# Altium PCB PCB3.PcbDoc (part 2 of 2)
Units mm, origin at the board's own origin, x right, y up, seen from the top; angles counter-clockwise.
Board outline 73.53 x 117.63 mm, 4 copper layers (Top Layer, GROUND, POWER, Bottom Layer), stack 0.603 mm thick; 94 components, 78 nets, 382 pads, 160 vias.
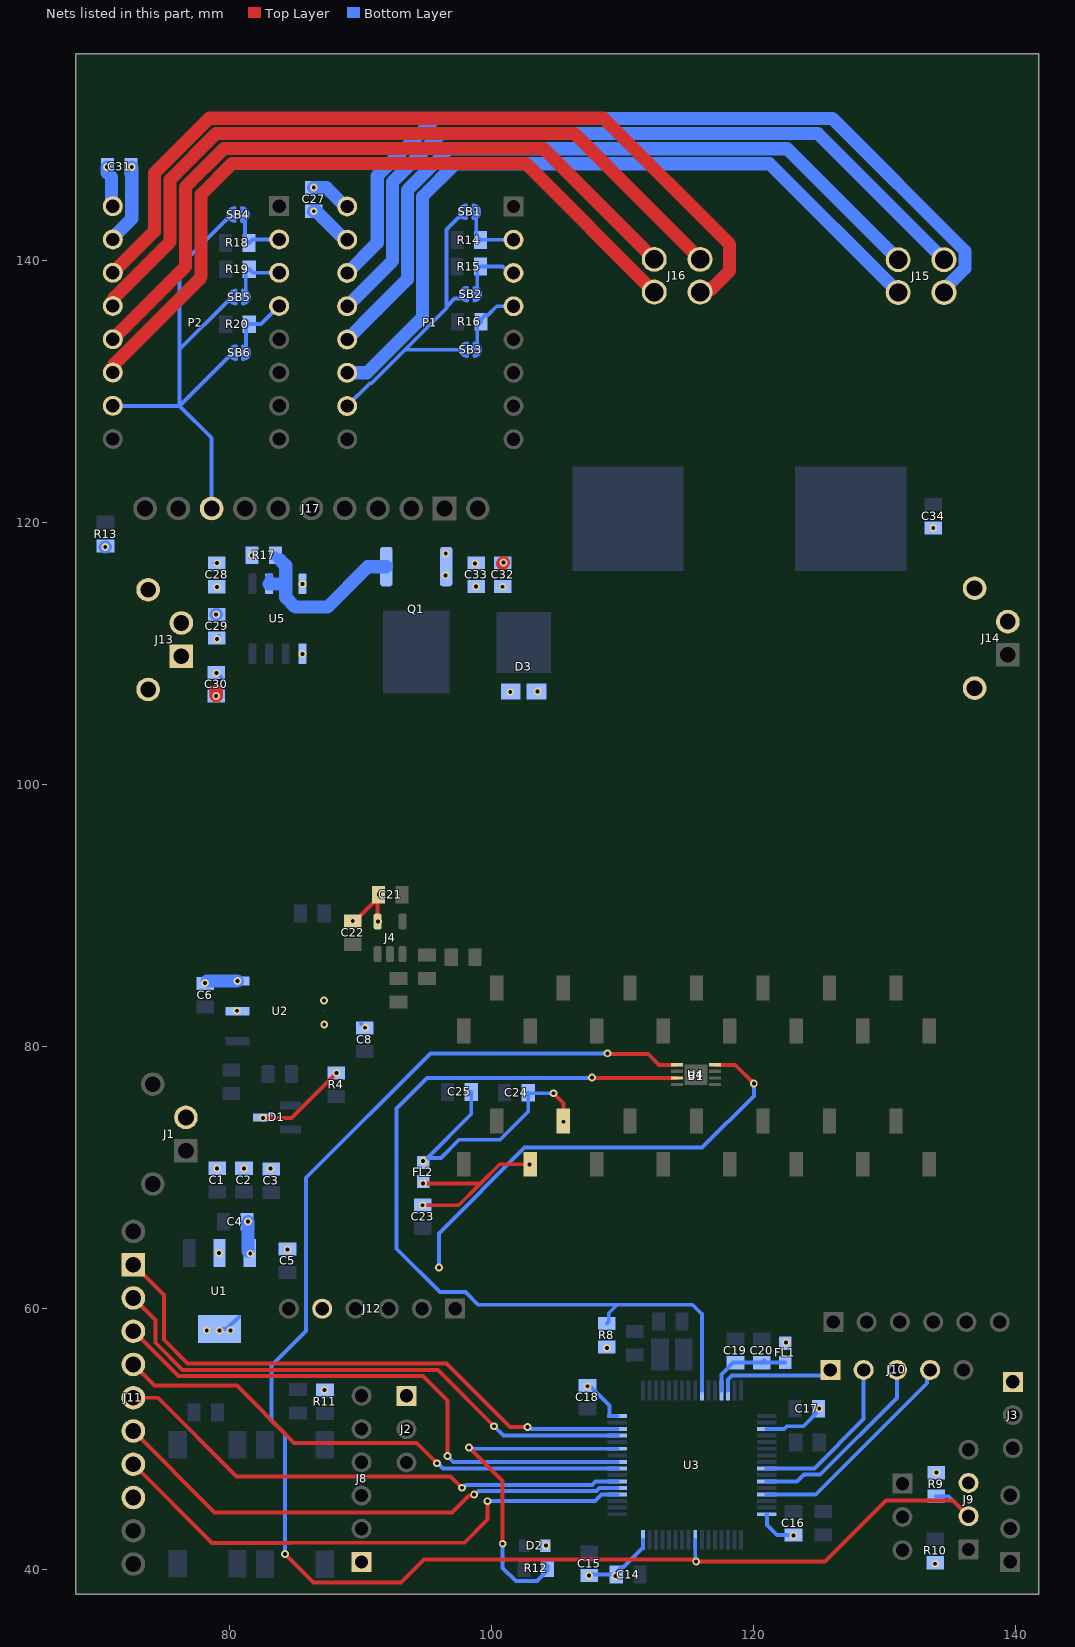
[diagram p4: the nets of this part, all layers, seen from the top]

## Via types
v1: diameter 0.6, hole 0.3, Top Layer to Bottom Layer, 160 vias

## Nets (pads, with @x,y where several pads share a name; then routed paths per layer and width w, separated by ;. In a path a pad name is that pad's centre, name@x,y a point inside that pad or via, vN(x,y) a via of type N, cw(c..) or ccw(c..) an arc to the next point about the centre after c; other vN are vias at no path point) (continued)
NetJ9_02: J9.02 R9.1 U3.40 U4.1 | length 124
  Top Layer w0.3: v1(84.225,41.225) 86.4,39.05 93.075,39.05 94.826,40.801 115.394,40.801 115.544,40.651 v1(115.625,40.651) 125.476,40.651 130.113,45.288 135.242,45.288 J9.02@136.425,44.105 ; v1(108.85,79.45) 108.906,79.394 111.967,79.394 112.793,78.567 U4.1@114.162,78.567
  Bottom Layer w0.3: v1(84.225,41.225) 84.225,50.4 83.2,51.425 83.2,55.625 85.825,58.25 85.825,69.95 95.325,79.45 v1(108.85,79.45) ; U3.40@115.553,42.304 115.553,40.804 115.625,40.732 v1(115.625,40.651) ; R9.1@133.95,45.625 134.905,45.625 J9.02@136.425,44.105
NetJ10_01: J10.01 U3.14 | length 9
  Bottom Layer w0.3: U3.14@118.053,53.704 118.053,54.528 118.375,54.85 125.445,54.85 J10.01@125.87,55.275
NetJ10_02: J10.02 U3.25 | length 12.7
  Bottom Layer w0.3: U3.25@121.003,47.754 124.653,47.754 128.41,51.511 J10.02@128.41,55.275
NetJ10_03: J10.03 U3.27 | length 14.7
  Bottom Layer w0.3: U3.27@121.003,46.754 123.329,46.754 123.85,47.275 125.1,47.275 130.95,53.125 J10.03@130.95,55.275
NetJ10_04: J10.04 U3.29 | length 16.9
  Bottom Layer w0.3: U3.29@121.003,45.754 124.754,45.754 133.256,54.256 133.256,55.041 J10.04@133.49,55.275
NetJ11_1: J11.1 U3.62 | length 44.2
  Top Layer w0.3: J11.1@72.65,63.31 74.975,60.985 74.975,57.575 76.775,55.775 94.5,55.775 94.502,55.773 96.552,55.773 101.4,50.925 v1(102.75,50.925)
  Bottom Layer w0.3: v1(102.75,50.925) 102.831,50.925 103.002,50.754 U3.62@109.603,50.754
NetJ11_2: J11.2 U3.61 | length 42.3
  Top Layer w0.3: J11.2@72.65,60.77 74.325,59.095 74.325,57.35 76.398,55.277 95.898,55.277 v1(100.2,50.975)
  Bottom Layer w0.3: v1(100.2,50.975) 100.921,50.254 U3.61@109.603,50.254
NetJ11_3: J11.3 U3.57 | length 43.6
  Top Layer w0.3: J11.3@72.65,58.23 76.08,54.8 94.775,54.8 96.625,52.95 v1(96.625,48.7)
  Bottom Layer w0.3: v1(96.625,48.7) 97.075,48.25 105.97,48.25 105.974,48.254 U3.57@109.603,48.254
NetJ11_4: J11.4 U3.56 | length 40.2
  Top Layer w0.3: J11.4@72.65,55.69 74.265,54.075 80.55,54.075 84.927,49.698 90.368,49.698 90.378,49.688 94.287,49.688 v1(95.825,48.15)
  Bottom Layer w0.3: v1(95.825,48.15) 95.906,48.15 96.302,47.754 U3.56@109.603,47.754
NetJ11_5: J11.5 U3.54 | length 40
  Top Layer w0.3: J11.5@72.65,53.15 74.525,53.15 80.527,47.148 96.877,47.148 v1(97.75,46.275)
  Bottom Layer w0.3: v1(97.75,46.275) 97.831,46.275 98.056,46.5 107.681,46.5 107.935,46.754 U3.54@109.603,46.754
NetJ11_6: J11.6 U3.53 | length 40.3
  Top Layer w0.3: J11.6@72.65,50.61 78.86,44.4 96.975,44.4 98.27,45.695 98.62,45.695 v1(98.675,45.75)
  Bottom Layer w0.3: v1(98.675,45.75) 98.726,45.75 99.001,46.025 108.028,46.025 108.257,46.254 U3.53@109.603,46.254
NetJ11_7: J11.7 U3.52 | length 41.8
  Top Layer w0.3: J11.7@72.65,48.07 78.647,42.073 84.624,42.073 84.629,42.078 97.928,42.078 99.7,43.85 v1(99.7,45.25)
  Bottom Layer w0.3: v1(99.7,45.25) 107.899,45.25 108.403,45.754 U3.52@109.603,45.754
NetJ15_1: J15.1 P1.11 | length 58.2
  Bottom Layer w1: P1.11@88.975,131.415 90.49,131.415 94.725,135.65 94.725,144.875 97.225,147.375 121.225,147.375 J15.1@131.05,137.55
NetJ15_2: J15.2 P1.14 | length 63.1
  Bottom Layer w1: P1.14@88.975,139.035 91.275,141.335 91.275,146.451 95.649,150.825 126.041,150.825 136.153,140.714 136.153,139.386 134.55,137.784 J15.2@134.55,137.55
NetJ15_3: J15.3 P1.12 | length 55.6
  Bottom Layer w1: P1.12@88.975,133.955 91.248,136.228 93.575,138.555 93.575,145.351 96.749,148.525 102.876,148.525 122.575,148.525 J15.3@131.05,140.05
NetJ15_4: J15.4 P1.13 | length 58.6
  Bottom Layer w1: P1.13@88.975,136.495 92.425,139.945 92.425,145.975 96.125,149.675 101.847,149.675 124.925,149.675 J15.4@134.55,140.05
NetJ16_1: J16.1 P2.11 | length 56
  Top Layer w1: P2.11@71.08,131.434 71.18,131.534 71.18,132.077 77.825,138.722 77.825,145.025 80.2,147.4 102.6,147.4 J16.1@112.425,137.575
NetJ16_2: J16.2 P2.14 | length 63.5
  Top Layer w1: P2.14@71.08,139.054 74.25,142.224 74.25,146.65 78.45,150.85 108.55,150.85 118.175,141.225 118.175,139.2 116.723,137.748 116.098,137.748 J16.2@115.925,137.575
NetJ16_3: J16.3 P2.12 | length 54.5
  Top Layer w1: P2.12@71.08,133.974 76.625,139.519 76.625,145.6 79.575,148.55 103.95,148.55 J16.3@112.425,140.075
NetJ16_4: J16.4 P2.13 | length 57.4
  Top Layer w1: P2.13@71.18,136.514 71.18,137.157 75.45,141.427 75.45,146.175 78.975,149.7 106.3,149.7 J16.4@115.925,140.075
NetP1_2: P1.2 R14.2 SB1.2 | length 4.8
  Bottom Layer w0.3: SB1.2@98.833,143.7 98.833,143.26 98.833,141.867 R14.2@99.15,141.55 99.175,141.575 P1.2@101.675,141.575
NetP1_3: P1.3 R15.2 SB2.2 | length 4.9
  Bottom Layer w0.3: SB2.2@98.908,137.425 98.908,137.865 98.908,139.283 R15.2@99.15,139.525 100.854,139.525 101.344,139.035 P1.3@101.675,139.035
NetP1_4: P1.4 R16.2 SB3.2 | length 5.3
  Bottom Layer w0.3: SB3.2@98.908,133.175 98.908,133.615 98.908,135.008 R16.2@99.2,135.3 99.2,135.475 99.55,135.825 99.725,135.825 100.395,136.495 P1.4@101.675,136.495
NetP2_2: P2.2 R18.2 SB4.2 | length 4.8
  Bottom Layer w0.3: R18.2@81.125,141.675 R18.2@81.158,141.642 ; SB4.2@81.158,143.5 81.158,143.06 R18.2@81.158,141.642 ; P2.2@83.78,141.594 81.744,141.594 R18.2@81.475,141.325 R18.2@81.158,141.642
NetP2_3: P2.3 R19.2 SB5.2 | length 4.6
  Bottom Layer w0.3: SB5.2@81.233,137.2 81.233,137.64 81.233,139.058 R19.2@81.5,139.325 81.771,139.054 P2.3@83.78,139.054
NetP2_4: P2.4 R20.2 SB6.2 | length 5.5
  Bottom Layer w0.3: R20.2@81.233,134.858 R20.2@81.258,134.883 ; R20.2@81.233,135.392 R20.2@81.5,135.125 ; SB6.2@81.258,132.95 81.258,133.39 R20.2@81.258,134.883 ; P2.4@83.78,136.514 82.391,135.125 R20.2@81.5,135.125 ; R20.2@81.258,134.883 R20.2@81.5,135.125
NetQ1_1: Q1.1 R17.2 U5.6 U5.7 | length 14.7
  Bottom Layer w0.6: U5.6@83.015,115.295 83.015,115.785 U5.6@83.035,115.785 ; R17.2@83.5,117.475 83.5,117.3 83.7,117.1 R17.2@83.875,117.1
  Bottom Layer w1: U5.6@83.015,115.295 U5.7@84.285,115.295 ; R17.2@83.875,117.1 84.285,116.69 U5.7@84.285,115.295 ; Q1.1@91.964,116.615 91.949,116.6 90.55,116.6 87.475,113.525 85.025,113.525 84.285,114.265 U5.7@84.285,115.295
NetR8_1: R8.1 U3.10 U4.3 | length 66.1
  Top Layer w0.3: v1(107.675,77.6) 107.708,77.567 U4.3@114.162,77.567
  Bottom Layer w0.3: v1(107.675,77.6) 107.65,77.575 95.075,77.575 92.75,75.25 92.75,64.525 96.05,61.225 98,61.225 98.975,60.25 109.6,60.25 ; R8.1@108.8,58.825 108.949,58.974 108.949,59.599 109.6,60.25 ; U3.10@116.053,53.704 116.053,59.547 115.35,60.25 109.6,60.25
NetR12_1: R12.1 U3.59 | length 26.7
  Top Layer w0.3: v1(98.275,49.354) 100.85,46.779 v1(100.85,42)
  Bottom Layer w0.3: v1(98.275,49.354) 98.356,49.354 98.456,49.254 U3.59@109.603,49.254 ; v1(100.85,42) 100.85,40.151 101.851,39.15 103.475,39.15 104.275,39.95 R12.1@104.275,40.125 104.275,40.3 R12.1@103.925,40.65
PGND2: C27.2 C28.1 C29.1 C30.1 C31.2 C32.1 C33.1 C34.1 D3.1 D3.2 J13.2 J13.MH1 J13.MH2 J14.2 J14.MH1 J14.MH2 P1.15 P2.15 R13.2 | length 11.8
  Bottom Layer w0.3: v1(70.5,118.1) R13.2@70.75,117.85 ; C29.1@78.85,112.95 v1(78.975,112.95) C29.1@79.025,112.95 C29.1@79.2,112.95 ; C28.1@78.85,116.875 C28.1@79.025,116.875 ; C30.1@78.975,108.525 C30.1@79.325,108.175 ; P1.15@88.775,141.575 P1.15@88.975,141.575
  Bottom Layer w1: v1(70.5,118.1) R13.2@70.525,118.1 ; P2.15@71.08,141.594 71.08,141.736 72.525,143.181 v1(72.525,147.125) ; J13.2@76.136,112.31 J13.2@76.315,112.31 ; J13.2@76.315,112.526 J13.2@76.315,112.31 ; J13.2@76.468,112.463 J13.2@76.315,112.31 ; v1(86.425,143.75) 86.6,143.75 88.675,141.675 88.875,141.675 P1.15@88.975,141.575
  other v1: 101.425,107.025 103.5,107.075 79,108.475 98.825,115.1 100.85,115.075 79.05,116.875 133.725,119.55
VBB2: C27.1 C28.2 C29.2 C30.2 C31.1 C32.2 C33.2 J13.1 P1.16 P2.16 Q1.3 R17.1 | length 8.3
  Top Layer w1: J13.1@76.315,109.77 J13.1@76.715,110.17 ; v1(78.975,106.725) 78.975,107.11 ; v1@100.825,116.85 v1(100.9,116.925)
  Bottom Layer w0.3: P2.16@71.08,144.134 P2.16@71.08,144.465 ; C29.2@79.025,111.15 C29.2@79.174,111.299 ; C28.2@79.025,115.075 C28.2@79.2,115.075 ; R17.1@81.55,117.325 v1(81.7,117.475)
  Bottom Layer w1: v1(70.625,147.125) 70.625,146.731 70.98,146.376 70.98,144.234 P2.16@71.08,144.134 ; v1(86.425,145.55) 87.398,145.55 88.833,144.115 P1.16@88.975,144.115
  other v1: 79.05,111.1 79.05,115.05 96.475,115.95 98.75,116.85 96.5,117.6
VCC: C1.2 C2.2 C3.2 C4.2 C6.2 J1.2 U1.3 U2.3 | length 5.3
  Bottom Layer w0.3: v1(78.125,84.825) C6.2@78.274,84.974 ; U2.3@80.598,84.974 v1(80.6,84.975) ; U1.3@81.35,64.375 U1.3@81.525,64.2 ; U1.3@81.4,64.325 v1(81.575,64.15)
  Bottom Layer w1: C6.2@78.274,84.974 U2.3@80.598,84.974 ; U1.3@81.4,64.325 v1(81.4,66.6)
  other v1: 79.025,70.65 81.1,70.65 83.125,70.65
VDD: C5.2 C14.1 C15.1 C16.1 C17.1 C18.1 D2.A FL1.1 J2.01 J3.01 J8.01 J9.03 J11.8 J12.05 R8.2 R9.2 R10.2 R11.2 U1.2 U1.4 U3.19 U3.32 U3.48 U3.64 U4.8 | length 54.8
  Top Layer w0.3: U4.8@117.052,78.567 118.608,78.567 v1(120.025,77.15)
  Bottom Layer w0.3: U1.4@79.225,58.4 79.775,58.4 U1.4@80.7,59.325 ; C5.2@84.25,64.5 C5.2@84.425,64.5 ; v1(95.975,63.1) 95.975,65.7 102.525,72.25 116.075,72.25 120.025,76.2 v1(120.025,77.15) ; v1(107.325,54.025) 107.55,54.025 109.003,52.572 109.003,51.754 U3.64@109.603,51.754 ; v1(107.45,39.575) 107.525,39.65 C14.1@109.525,39.65 109.525,39.825 109.875,40.175 110.024,40.175 111.553,41.704 U3.48@111.553,42.304 ; U3.32@121.003,44.254 121.018,44.254 121.018,43.432 121.791,42.659 C16.1@123.05,42.659 ; U3.19@121.003,50.754 122.33,50.754 122.551,50.975 123.825,50.975 124.975,52.125 C17.1@124.975,52.3
  other v1: 109.45,39.525 133.875,40.475 104.15,41.875 123.05,42.625 133.975,47.425 125.025,52.325 87.25,53.725 108.8,56.95 122.475,57.375 79.225,58.273 78.25,58.3 80.05,58.3 79.2,64.2 84.425,64.475
VDD2: J17.8 P1.10 P2.10 SB1.1 SB2.1 SB3.1 SB4.1 SB5.1 SB6.1 U5.1 U5.8 | length 66.5
  Bottom Layer w0.3: P2.10@71.08,128.894 76.186,128.894 ; J17.8@78.625,121.05 78.625,126.455 76.186,128.894 ; SB4.1@80.142,143.5 76.186,139.544 76.186,133.21 ; SB5.1@80.217,137.2 79.871,136.854 79.83,136.854 76.186,133.21 ; SB6.1@80.242,132.95 76.186,128.894 ; P1.10@88.975,128.875 90.715,130.615 90.821,130.615 93.381,133.175 ; SB1.1@97.817,143.7 97.75,143.633 97.75,143.5 97.538,143.288 97.488,143.288 96.55,142.349 96.55,136.45 ; SB3.1@97.892,133.175 93.381,133.175 ; SB2.1@97.892,137.425 97.546,137.079 97.179,137.079 96.55,136.45 ; 76.186,128.894 76.186,133.21 ; 93.381,133.175 96.55,136.344 96.55,136.45
  other v1: 85.555,109.955 85.555,115.295
VDDA: C19.1 C20.1 FL1.2 U3.13 | length 6.8
  Bottom Layer w0.3: U3.13@117.553,53.704 117.553,54.928 118.45,55.825 C19.1@118.625,55.825 C20.1@120.625,55.825 ; C20.1@120.6,55.8 C20.1@120.625,55.825 ; C20.1@120.6,55.85 C20.1@120.61,55.84 ; C20.1@120.8,56 C20.1@120.64,55.84 ; FL1.2@122.415,55.85 FL1.2@122.425,55.84 C20.1@120.64,55.84 ; C20.1@120.61,55.84 C20.1@120.64,55.84 ; C20.1@120.61,55.84 C20.1@120.625,55.825 ; C20.1@120.625,55.825 C20.1@120.64,55.84
VTCD: B1.1 C8.2 C23.1 D1.3 FL2.1 R4.1 U2.2 U2.4 | length 21.8
  Top Layer w0.3: v1(82.55,74.525) 84.725,74.525 v1(88.15,77.95) ; v1(94.725,67.85) 97.494,67.85 99.169,69.525 ; v1(94.775,69.525) 99.169,69.525 ; B1.1@102.948,70.981 100.625,70.981 99.169,69.525
  Bottom Layer w0.3: v1(80.55,82.7) 80.575,82.675 U2.2@80.598,82.675 ; C8.2@90.025,81.725 v1(90.35,81.4) ; C23.1@94.75,67.875 C23.1@94.925,67.875 ; FL2.1@94.775,69.65 FL2.1@94.9,69.525
  other v1: 102.9,70.95 87.225,81.65 87.2,83.475
VTCDA: B1.2 C21.1 C22.1 C24.1 C25.1 FL2.2 J4.5 | length 26.8
  Top Layer w0.3: v1(89.4,89.55) 89.575,89.55 91.025,91 91.025,91.2 C21.1@91.3,91.475 ; J4.5@91.3,89.515 C21.1@91.3,91.475 ; C21.1@91.375,91.55 C21.1@91.3,91.475 ; v1(104.725,76.4) 105.488,75.637 B1.2@105.488,74.281
  Bottom Layer w0.3: FL2.2@94.775,71.12 94.775,71.135 FL2.2@95.11,71.47 ; C25.1@98.45,76.5 98.45,74.81 FL2.2@95.11,71.47 ; v1(104.725,76.4) 102.85,76.4 C24.1@102.8,76.45 102.8,75.011 100.639,72.85 97.525,72.85 96.145,71.47 FL2.2@95.11,71.47
  other v1: 94.775,71.225 105.5,74.225 91.325,89.525 91.4,91.575
pads on no net: D1.2 U3.1 U3.2 U3.3 U3.4 U3.8 U3.9 U3.11 U3.23 U3.24 U3.39 U3.44 U3.45 U3.50 U3.51 U5.3

## Polygon pours and split planes (outlines as drawn)
PGND2 on Bottom Layer "PGND2_L04_P019" (solid, remove dead copper, pour order 19): 69.35,118.8 69.35,109.125 72.675,105.8 80.525,105.8 80.55,105.825 80.325,106.05 80.325,118.8
VBB2 on Bottom Layer "VBB2_L04_P017" (solid, remove dead copper, pour order 17): 95.175,118.572 95.175,114.825 96.9,114.825 98.175,116.1 102.375,116.1 102.375,118.1 101.851,118.624
VCC on Bottom Layer "VCC_L04_P012" (solid, remove dead copper, pour order 12): 75.2,76.025 79.1,76.025 79.1,72.45 85.3,72.45 85.3,69.95 75.2,69.95
VDD on Bottom Layer "VDD_L04_P009" (solid, remove dead copper, pour order 9): 78.05,65.475 78.05,65.325 78.05,60.55 77.05,60.55 77.05,59.15 77.05,56.975 80.8,56.975 88.625,56.975 88.625,65.55 82.5,65.55 82.5,64.6 82.5,62.5 80.125,62.5 80.125,63.45 80.125,65.475
VTCD on Bottom Layer "VTCD_L04_P008" (solid, remove dead copper, pour order 8): 79.375,83.8 79.375,81.5 85.6,81.5 85.6,76.975 91.45,76.975 91.45,82.775 91.45,84.95 85.129,84.95 85.129,83.929
NetC34_2 on Bottom Layer "NETC34_2_L04_P001" (solid, remove dead copper, pour order 1): 122.1,125.35 122.1,125.15 122.1,106.5 140.6,106.5 140.825,106.5 140.875,125.475 122.2,125.475 122.1,125.475
NetD3_3 on Bottom Layer "NETD3_3_L04_P000" (solid, remove dead copper, pour order 0): 90.7,113.975 90.7,106.375 97.675,106.375 99.525,108.225 111.55,108.225 118.15,114.825 118.15,125.475 105.7,125.475 103.375,123.15 103.375,113.975 90.725,113.975
GND on Top Layer "GND_L01_P011" (solid, remove dead copper, pour order 11): 75.2,63.4 83.2,63.4 83.2,58.5 86.025,58.5 86.025,69.825 78.625,69.825 78.625,73.125 75.2,73.125 75.2,67.175
GND on Top Layer "GND_L01_P013" (solid, remove dead copper, pour order 13): 76.775,82.087 81.825,82.087 81.825,77.15 86.25,77.15 86.25,78.85 87.4,78.85 91.3,78.85 91.3,80.55 83.3,80.55 83.3,83.95 76.775,83.95
VBB2 on Top Layer "VBB2_L01_P018" (solid, remove dead copper, pour order 18): 82.625,118.875 82.475,118.725 82.475,116.425 80.85,116.425 80.325,115.9 80.575,115.65 80.575,105.875 72.7,105.875 69.4,109.175 69.4,118.6
PGND2 on Top Layer "PGND2_L01_P016" (solid, remove dead copper, pour order 16): 97.75,115.75 97.75,106.2 97.65,106.1 97.925,105.825 105,105.825 105,115.65 104.725,115.925
PGND2 on Top Layer "PGND2_L01_P015" (solid, remove dead copper, pour order 15): 132.375,105.95 132.85,105.95 140.9,105.95 140.9,125.225 140.9,125.45 140.525,125.45 132.425,125.45
AGND on Top Layer "AGND_L01_P014" (solid, remove dead copper, pour order 14): 96.3,81.775 96.3,80.05 96.225,79.975 96.275,79.925 121.975,79.925 121.975,75.725 114.95,75.725 114.95,69.8 135.05,69.8 135.075,69.825 135.075,85.65 108.868,85.65 106.268,83.05 96.25,83.05
VCC on POWER (split plane): 141.29,95.061 102.172,95.061 101.912,95.061 101.872,95.057 101.832,95.055 101.319,94.974 101.28,94.964 101.241,94.955 100.925,94.852 85.976,94.852 85.917,94.846 85.86,94.829 85.808,94.801 85.763,94.764 82.737,91.738 82.699,91.692 82.671,91.64 82.654,91.584 82.649,91.525 82.649,84.925 81.975,84.251 79.575,84.251 79.516,84.246 79.46,84.229 79.408,84.201 79.362,84.163 78.187,82.988 78.149,82.942 78.121,82.89 78.104,82.834 78.099,82.775 78.099,76.425 78.099,74.875 78.104,74.816 78.121,74.76 78.149,74.708 78.187,74.662 81.112,71.737 81.158,71.699 81.21,71.671 81.266,71.654 81.325,71.649 83.7,71.649 84.574,70.775 84.574,68.15 82.562,66.138 82.524,66.092 82.496,66.04 82.479,65.984 82.474,65.925 82.474,63.025 81.9,62.451 81.125,62.451 80.726,62.85 80.726,65.15 80.721,65.209 80.704,65.265 80.676,65.317 80.638,65.363 77.938,68.063 77.892,68.101 77.84,68.129 77.784,68.146 77.725,68.151 68.777,68.151 68.777,104.523 141.29,104.523
VDD2 on POWER (split plane): 102.674,142.775 102.674,131.15 86.737,115.213 86.699,115.167 86.671,115.115 86.654,115.059 86.649,115 86.649,109.35 85.775,108.476 84.825,108.476 83.976,109.325 83.976,115.55 83.976,117.725 83.971,117.784 83.954,117.84 83.926,117.892 83.888,117.938 82.213,119.613 82.167,119.651 82.115,119.679 82.059,119.696 82,119.701 78.05,119.701 72.688,125.063 72.642,125.101 72.59,125.129 72.534,125.146 72.475,125.151 68.777,125.151 68.777,132.074 74.675,132.074 74.734,132.079 74.79,132.096 74.842,132.124 74.888,132.162 77.988,135.262 78.026,135.308 78.054,135.36 78.071,135.416 78.076,135.475 78.076,143.35 79.8,145.074 82.275,145.074 85.174,142.175 85.174,132.525 85.179,132.466 85.196,132.41 85.224,132.358 85.262,132.312 86.812,130.762 86.858,130.724 86.91,130.696 86.966,130.679 87.025,130.674 90.775,130.674 90.834,130.679 90.89,130.696 90.942,130.724 90.988,130.762 93.688,133.462 93.726,133.508 93.754,133.56 93.771,133.616 93.776,133.675 93.776,142.3 96.85,145.374 100.075,145.374
VBB2 on POWER (split plane): 141.29,105.527 68.777,105.527 68.777,124.549 72.35,124.549 77.712,119.187 77.758,119.149 77.81,119.121 77.866,119.104 77.925,119.099 81.875,119.099 83.374,117.6 83.374,115.55 83.374,109.2 83.379,109.141 83.396,109.085 83.424,109.033 83.462,108.987 84.487,107.962 84.533,107.924 84.585,107.896 84.641,107.879 84.7,107.874 85.9,107.874 85.959,107.879 86.015,107.896 86.067,107.924 86.113,107.962 87.163,109.012 87.201,109.058 87.229,109.11 87.246,109.166 87.251,109.225 87.251,114.875 103.188,130.812 103.226,130.858 103.254,130.91 103.271,130.966 103.276,131.025 103.276,142.9 103.271,142.959 103.254,143.015 103.226,143.067 103.188,143.113 100.413,145.888 100.367,145.926 100.315,145.954 100.259,145.971 100.2,145.976 96.725,145.976 96.666,145.971 96.61,145.954 96.558,145.926 96.512,145.888 93.262,142.638 93.224,142.592 93.196,142.54 93.179,142.484 93.174,142.425 93.174,133.8 90.65,131.276 87.15,131.276 85.776,132.65 85.776,142.3 85.771,142.359 85.754,142.415 85.726,142.467 85.688,142.513 82.613,145.588 82.567,145.626 82.515,145.654 82.459,145.671 82.4,145.676 79.675,145.676 79.616,145.671 79.56,145.654 79.508,145.626 79.462,145.588 77.562,143.688 77.524,143.642 77.496,143.59 77.479,143.534 77.474,143.475 77.474,135.6 74.55,132.676 68.777,132.676 68.777,155.265 141.29,155.265
VDD on POWER (split plane): 93.49,64.684 93.535,64.646 93.588,64.619 93.644,64.601 93.703,64.596 98.361,64.596 98.361,64.121 98.365,64.081 98.368,64.041 98.449,63.528 98.459,63.489 98.468,63.45 98.628,62.956 98.644,62.92 98.659,62.882 98.895,62.419 98.916,62.386 98.936,62.351 99.242,61.931 99.268,61.901 99.294,61.87 99.661,61.503 99.692,61.477 99.722,61.451 100.142,61.145 100.177,61.125 100.21,61.104 100.673,60.868 100.711,60.853 100.747,60.837 101.241,60.677 101.28,60.668 101.319,60.658 101.832,60.577 101.872,60.574 101.912,60.57 141.29,60.57 141.29,38.655 68.777,38.655 68.777,67.549 77.6,67.549 80.124,65.025 80.124,62.725 80.129,62.666 80.146,62.61 80.174,62.558 80.212,62.512 80.787,61.937 80.833,61.899 80.885,61.871 80.941,61.854 81,61.849 82.025,61.849 82.084,61.854 82.14,61.871 82.192,61.899 82.238,61.937 82.988,62.687 83.026,62.733 83.054,62.785 83.071,62.841 83.076,62.9 83.076,65.8 85.088,67.812 85.126,67.858 85.154,67.91 85.171,67.966 85.176,68.025 85.176,70.599 87.575,70.599
VTCDA on POWER (split plane): 99.722,94.181 99.692,94.154 99.661,94.129 99.294,93.762 99.268,93.731 99.242,93.701 98.936,93.28 98.916,93.246 98.895,93.212 98.659,92.749 98.644,92.712 98.628,92.675 98.468,92.181 98.459,92.142 98.449,92.103 98.368,91.59 98.365,91.55 98.361,91.511 98.361,90.991 98.365,90.951 98.368,90.911 98.449,90.398 98.459,90.359 98.468,90.32 98.628,89.826 98.644,89.79 98.659,89.752 98.895,89.289 98.916,89.256 98.936,89.221 99.242,88.801 99.268,88.771 99.294,88.74 99.661,88.373 99.692,88.347 99.722,88.321 100.142,88.015 100.177,87.995 100.21,87.974 100.673,87.738 100.711,87.723 100.747,87.707 101.241,87.547 101.28,87.538 101.319,87.528 101.832,87.447 101.872,87.444 101.912,87.44 103.724,87.44 103.724,79.4 103.729,79.341 103.746,79.285 103.774,79.233 103.812,79.187 107.049,75.95 107.049,73.7 106.375,73.026 98.2,73.026 98.141,73.021 98.085,73.004 98.033,72.976 97.987,72.938 95.7,70.651 93.9,70.651 93.451,71.1 93.451,82.925 93.446,82.984 93.429,83.04 93.401,83.092 93.363,83.138 89.813,86.688 89.767,86.726 89.715,86.754 89.659,86.771 89.6,86.776 86.675,86.776 83.251,90.2 83.251,91.4 86.101,94.249 99.816,94.249
VTCD on POWER (split plane): 86.337,86.262 86.383,86.224 86.435,86.196 86.491,86.179 86.55,86.174 89.475,86.174 92.849,82.8 92.849,70.975 92.854,70.916 92.871,70.86 92.899,70.808 92.937,70.762 93.562,70.137 93.608,70.099 93.66,70.071 93.716,70.054 93.775,70.049 95.825,70.049 95.884,70.054 95.94,70.071 95.992,70.099 96.038,70.137 98.325,72.424 106.5,72.424 106.559,72.429 106.615,72.446 106.667,72.474 106.713,72.512 107.563,73.362 107.601,73.408 107.629,73.46 107.646,73.516 107.651,73.575 107.651,76.075 107.646,76.134 107.629,76.19 107.601,76.242 107.563,76.288 104.326,79.525 104.326,87.44 141.29,87.44 141.29,68.191 102.172,68.191 101.912,68.191 101.872,68.187 101.832,68.185 101.319,68.104 101.28,68.094 101.241,68.085 100.747,67.925 100.711,67.908 100.673,67.894 100.21,67.658 100.177,67.636 100.142,67.616 99.722,67.311 99.692,67.284 99.661,67.259 99.294,66.892 99.268,66.861 99.242,66.831 98.936,66.41 98.916,66.376 98.895,66.342 98.659,65.879 98.644,65.842 98.628,65.805 98.468,65.311 98.459,65.272 98.449,65.233 98.443,65.198 93.828,65.198 87.913,71.113 87.867,71.151 87.815,71.179 87.759,71.196 87.7,71.201 85,71.201 84.038,72.163 83.992,72.201 83.94,72.229 83.884,72.246 83.825,72.251 81.45,72.251 78.701,75 78.701,76.425 78.701,82.65 79.7,83.649 82.1,83.649 82.159,83.654 82.215,83.671 82.267,83.699 82.313,83.737 83.163,84.587 83.201,84.633 83.229,84.685 83.246,84.741 83.251,84.8 83.251,89.347
GND on GROUND (split plane): 171 vertices, not listed, extent 68.777,38.655 141.29,104.523
PGND2 on GROUND (split plane): 104.149,142.125 104.149,121.225 101.375,118.451 86.65,118.451 86.591,118.446 86.535,118.429 86.483,118.401 86.437,118.363 83.537,115.463 83.499,115.417 83.471,115.365 83.454,115.309 83.449,115.25 83.449,109.05 82.7,108.301 81.575,108.301 80.801,109.075 80.801,117.525 80.796,117.584 80.779,117.64 80.751,117.692 80.713,117.738 79.138,119.313 79.092,119.351 79.04,119.379 78.984,119.396 78.925,119.401 68.777,119.401 68.777,128.174 72.725,128.174 72.784,128.179 72.84,128.196 72.892,128.224 72.938,128.262 77.638,132.962 77.676,133.008 77.704,133.06 77.721,133.116 77.726,133.175 77.726,141.05 79.4,142.724 84.475,142.724 85.949,141.25 85.949,129.85 85.954,129.791 85.971,129.735 85.999,129.683 86.037,129.637 87.537,128.137 87.583,128.099 87.635,128.071 87.691,128.054 87.75,128.049 91.925,128.049 91.984,128.054 92.04,128.071 92.092,128.099 92.138,128.137 95.463,131.462 95.501,131.508 95.529,131.56 95.546,131.616 95.551,131.675 95.551,141.925 97.4,143.774 102.5,143.774
AGND on GROUND (split plane): 99.294,93.762 99.268,93.731 99.242,93.701 98.936,93.28 98.916,93.246 98.895,93.212 98.659,92.749 98.644,92.712 98.628,92.675 98.468,92.181 98.459,92.142 98.449,92.103 98.368,91.59 98.365,91.55 98.361,91.511 98.361,90.991 98.365,90.951 98.368,90.911 98.449,90.398 98.459,90.359 98.468,90.32 98.628,89.826 98.644,89.79 98.659,89.752 98.895,89.289 98.916,89.256 98.936,89.221 99.242,88.801 99.268,88.771 99.294,88.74 99.661,88.373 99.692,88.347 99.722,88.321 100.142,88.015 100.177,87.995 100.21,87.974 100.673,87.738 100.711,87.723 100.747,87.707 101.241,87.547 101.28,87.538 101.319,87.528 101.832,87.447 101.872,87.444 101.912,87.44 141.29,87.44 141.29,68.191 102.172,68.191 101.912,68.191 101.872,68.187 101.832,68.185 101.577,68.145 100.809,68.913 100.763,68.951 100.711,68.979 100.655,68.996 100.596,69.001 95.375,69.001 95.316,68.996 95.26,68.979 95.208,68.951 95.162,68.913 93.362,67.113 93.324,67.067 93.296,67.015 93.279,66.959 93.274,66.9 93.274,63.7 93.279,63.641 93.296,63.585 93.324,63.533 93.362,63.487 106.487,50.362 106.533,50.324 106.585,50.296 106.641,50.279 106.7,50.274 113.225,50.274 113.284,50.279 113.34,50.296 113.392,50.324 113.438,50.362 116.813,53.737 116.851,53.783 116.879,53.835 116.896,53.891 116.901,53.95 116.901,57.375 118.025,58.499 122.7,58.499 123.274,57.925 123.274,56.075 122.075,54.876 119.325,54.876 119.266,54.871 119.21,54.854 119.158,54.826 119.112,54.788 118.287,53.963 118.249,53.917 118.221,53.865 118.204,53.809 118.199,53.75 118.199,52.5 118.204,52.441 118.221,52.385 118.249,52.333 118.287,52.287 119.837,50.737 119.883,50.699 119.935,50.671 119.991,50.654 120.05,50.649 126.1,50.649 126.774,49.975 126.774,48.925 125.05,47.201 102.875,47.201 93.038,57.038 91.151,58.925 91.151,61.375 91.151,68.175 91.151,76.7 91.788,77.337 91.826,77.383 91.854,77.435 91.871,77.491 91.876,77.55 91.876,82.6 91.871,82.659 91.854,82.715 91.826,82.767 91.788,82.813 86.651,87.95 86.651,91.575 88.966,93.89 99.422,93.89
PGND2 on GROUND (split plane): 141.29,105.527 68.777,105.527 68.777,118.799 78.8,118.799 80.199,117.4 80.199,108.95 80.204,108.891 80.221,108.835 80.249,108.783 80.287,108.737 81.237,107.787 81.283,107.749 81.335,107.721 81.391,107.704 81.45,107.699 82.825,107.699 82.884,107.704 82.94,107.721 82.992,107.749 83.038,107.787 83.963,108.712 84.001,108.758 84.029,108.81 84.046,108.866 84.051,108.925 84.051,115.125 86.775,117.849 101.5,117.849 101.559,117.854 101.615,117.871 101.667,117.899 101.713,117.937 104.663,120.887 104.701,120.933 104.729,120.985 104.746,121.041 104.751,121.1 104.751,142.25 104.746,142.309 104.729,142.365 104.701,142.417 104.663,142.463 102.838,144.288 102.792,144.326 102.74,144.354 102.684,144.371 102.625,144.376 97.275,144.376 97.216,144.371 97.16,144.354 97.108,144.326 97.062,144.288 95.037,142.263 94.999,142.217 94.971,142.165 94.954,142.109 94.949,142.05 94.949,131.8 91.8,128.651 87.875,128.651 86.551,129.975 86.551,141.375 86.546,141.434 86.529,141.49 86.501,141.542 86.463,141.588 84.813,143.238 84.767,143.276 84.715,143.304 84.659,143.321 84.6,143.326 79.275,143.326 79.216,143.321 79.16,143.304 79.108,143.276 79.062,143.238 77.212,141.388 77.174,141.342 77.146,141.29 77.129,141.234 77.124,141.175 77.124,133.3 72.6,128.776 68.777,128.776 68.777,155.265 141.29,155.265

## Keep-outs
Keep-Out Layer:
  lines w0.6: 68.25,105 68.25,38.2 141.775,38.2 141.775,61.075 141.769,61.081 102.172,61.081 ; 102.172,87.95 cw(c102.175,91.25) 102.172,94.55 141.8,94.55 141.8,105 ; 102.172,87.951 141.799,87.951 141.799,67.701 141.8,67.7 102.191,67.7 ccw(c102.194,64.4) 102.191,61.1
  lines w1: 68.25,105 141.8,105

## Other copper
GROUND (plane layer: these items are gaps in the copper):
  lines w0.6: 68.25,128.475 72.725,128.475 77.425,133.175 77.425,141.175 79.275,143.025 84.6,143.025 86.25,141.375 86.25,129.85 87.75,128.35 91.925,128.35 95.25,131.675 95.25,142.05 97.275,144.075 102.625,144.075 104.45,142.25 104.45,121.1 101.5,118.15 87.625,118.15 86.65,118.15 83.75,115.25 83.75,108.925 82.825,108 81.45,108 80.5,108.95 80.5,117.525 78.925,119.1 68.275,119.1 ; 100.674,94.191 88.841,94.191 86.35,91.7 86.35,87.825 91.575,82.6 91.575,77.55 90.85,76.825 90.85,68.175 90.85,61.375 90.85,58.8 92.825,56.825 102.75,46.9 125.175,46.9 127.075,48.8 127.075,50.1 126.225,50.95 120.05,50.95 118.5,52.5 118.5,53.75 119.325,54.575 122.2,54.575 123.575,55.95 123.575,58.05 122.825,58.8 117.9,58.8 116.6,57.5 116.6,53.95 113.225,50.575 106.7,50.575 93.575,63.7 93.575,66.9 95.375,68.7 100.596,68.7 101.656,67.64
  lines w1: 68.275,105.025 141.775,105.025
POWER (plane layer: these items are gaps in the copper):
  lines w0.6: 68.3,70 68.3,67.85 77.725,67.85 80.425,65.15 80.425,62.725 81,62.15 82.025,62.15 82.775,62.9 82.775,65.925 84.875,68.025 84.875,70.9 ; 68.3,124.85 72.475,124.85 77.925,119.4 82,119.4 83.675,117.725 83.675,115.55 83.675,109.2 84.7,108.175 85.9,108.175 86.95,109.225 86.95,115 102.975,131.025 102.975,142.9 100.2,145.675 96.725,145.675 93.475,142.425 93.475,133.675 90.775,130.975 87.025,130.975 85.475,132.525 85.475,142.3 82.4,145.375 79.675,145.375 77.775,143.475 77.775,135.475 74.675,132.375 68.3,132.375 ; 82.95,90.075 86.55,86.475 89.6,86.475 93.15,82.925 93.15,70.975 93.775,70.35 95.825,70.35 98.2,72.725 106.5,72.725 107.35,73.575 107.35,76.075 104.025,79.4 104.025,87.925 ; 98.912,64.897 93.703,64.897 87.7,70.9 84.875,70.9 ; 102.042,94.551 85.976,94.551 82.95,91.525 82.95,84.8 82.1,83.95 79.575,83.95 78.4,82.775 78.4,76.425 78.4,74.875 81.325,71.95 83.825,71.95 84.875,70.9
  lines w1: 68.275,105.025 141.775,105.025

## Silkscreen, mask and mechanical layers (free items; w line width, h text height)
Top Overlay:
  text "RESERVED" at 137.725,56.35 h0.25 r270
  text "RES1" at 127.975,53.35 h0.25
  text "RES2" at 130.475,53.35 h0.25
  text "RES3" at 133,53.35 h0.25
  text "GND" at 135.7,53.35 h0.25
  text "WKUP" at 125.375,53.325 h0.25
Bottom Overlay:
  text "VTCD" at 87.825,85.175 h0.5
  text "VCC" at 73.2,78.9 h0.5
  text "+" at 69.075,76.917 h0.5
  text "TO BOARD B" at 72.175,67.35 h0.25
  text "STEP" at 69.05,63 h0.25 r270
  text "PELTIER" at 69.05,59.975 h0.25 r270
  text "SPI" at 140.5,59.325 h0.25 r270
  text "NENBL1" at 69.075,57.6 h0.25 r270
  text "GND" at 138.4,57.025 h0.25
  text "SCLK" at 130.675,57 h0.25
  text "MISO" at 133.175,57 h0.25
  text "MOSI" at 135.85,57 h0.25
  text "CS2" at 125.475,56.975 h0.25
  text "CS1" at 128.25,56.975 h0.25
  text "VDD" at 77.15,56.35 h0.5
  text "BOOT1" at 138.325,56.15 h0.25
  text "1,B,0" at 140.075,56.11 h0.25
  text "NSLP1" at 69.075,55.175 h0.25 r270
  text "BOOT0" at 93.9,55.075 h0.25
  text "SWD" at 89.75,54.975 h0.25
  text "DIR" at 69.075,53.1 h0.25 r270
  text "0,B,1" at 95.44,52.175 h0.25 r90
  text "I2C" at 136.025,51.275 h0.25
  text "RST" at 80.375,51.1 h0.25
  text "TEST" at 83.225,51.075 h0.25
  text "GND,VDD,SDA,SCL" at 134.425,50.835 h0.25
  text "NENBL2" at 69.025,49.875 h0.25 r270
  text "UART(D)-T,R,G" at 130.025,48.86 h0.25
  text "NSLP2" at 69.025,47.55 h0.25 r270
  text "UART(P)-G,T,R" at 138.1,47.385 h0.25
  text "VDD" at 69.025,45.5 h0.25 r270
  text "GND" at 69,42.875 h0.25 r270
  text "VDD,SWDIO,SWCLK,SWO,NRST,GND" at 92.065,39.175 h0.25 r90
Mechanical 1:
  lines w0.001: 142.172,61.081 102.172,61.081 cw(c102.172,64.381) 102.172,67.681 142.172,67.681 ; 142.172,87.951 102.172,87.951 cw(c102.172,91.251) 102.172,94.551 142.172,94.551
  lines w0.1: 142.172,61.081 142.172,67.681 ; 142.172,87.951 142.172,94.551 ; 68.267,38.145 141.8,38.145 141.8,155.775 68.267,155.775 68.267,38.145
Mechanical 4:
  lines w0.1: 67.843,77.817 142.096,77.817 ; 102.172,37.714 102.172,105 ; 115.607,37.714 115.607,105 ; 129.042,37.714 129.042,105